# Altium PCB TX_PCB.PcbDoc
Units mil, origin at the board's own origin, x right, y up, seen from the top; angles counter-clockwise.
Board outline 1955 x 2115 mil, 2 copper layers (Top Layer, Bottom Layer); 118 components, 94 nets, 470 pads, 2 vias.
Unrouted connection lines stored in the file: 198.
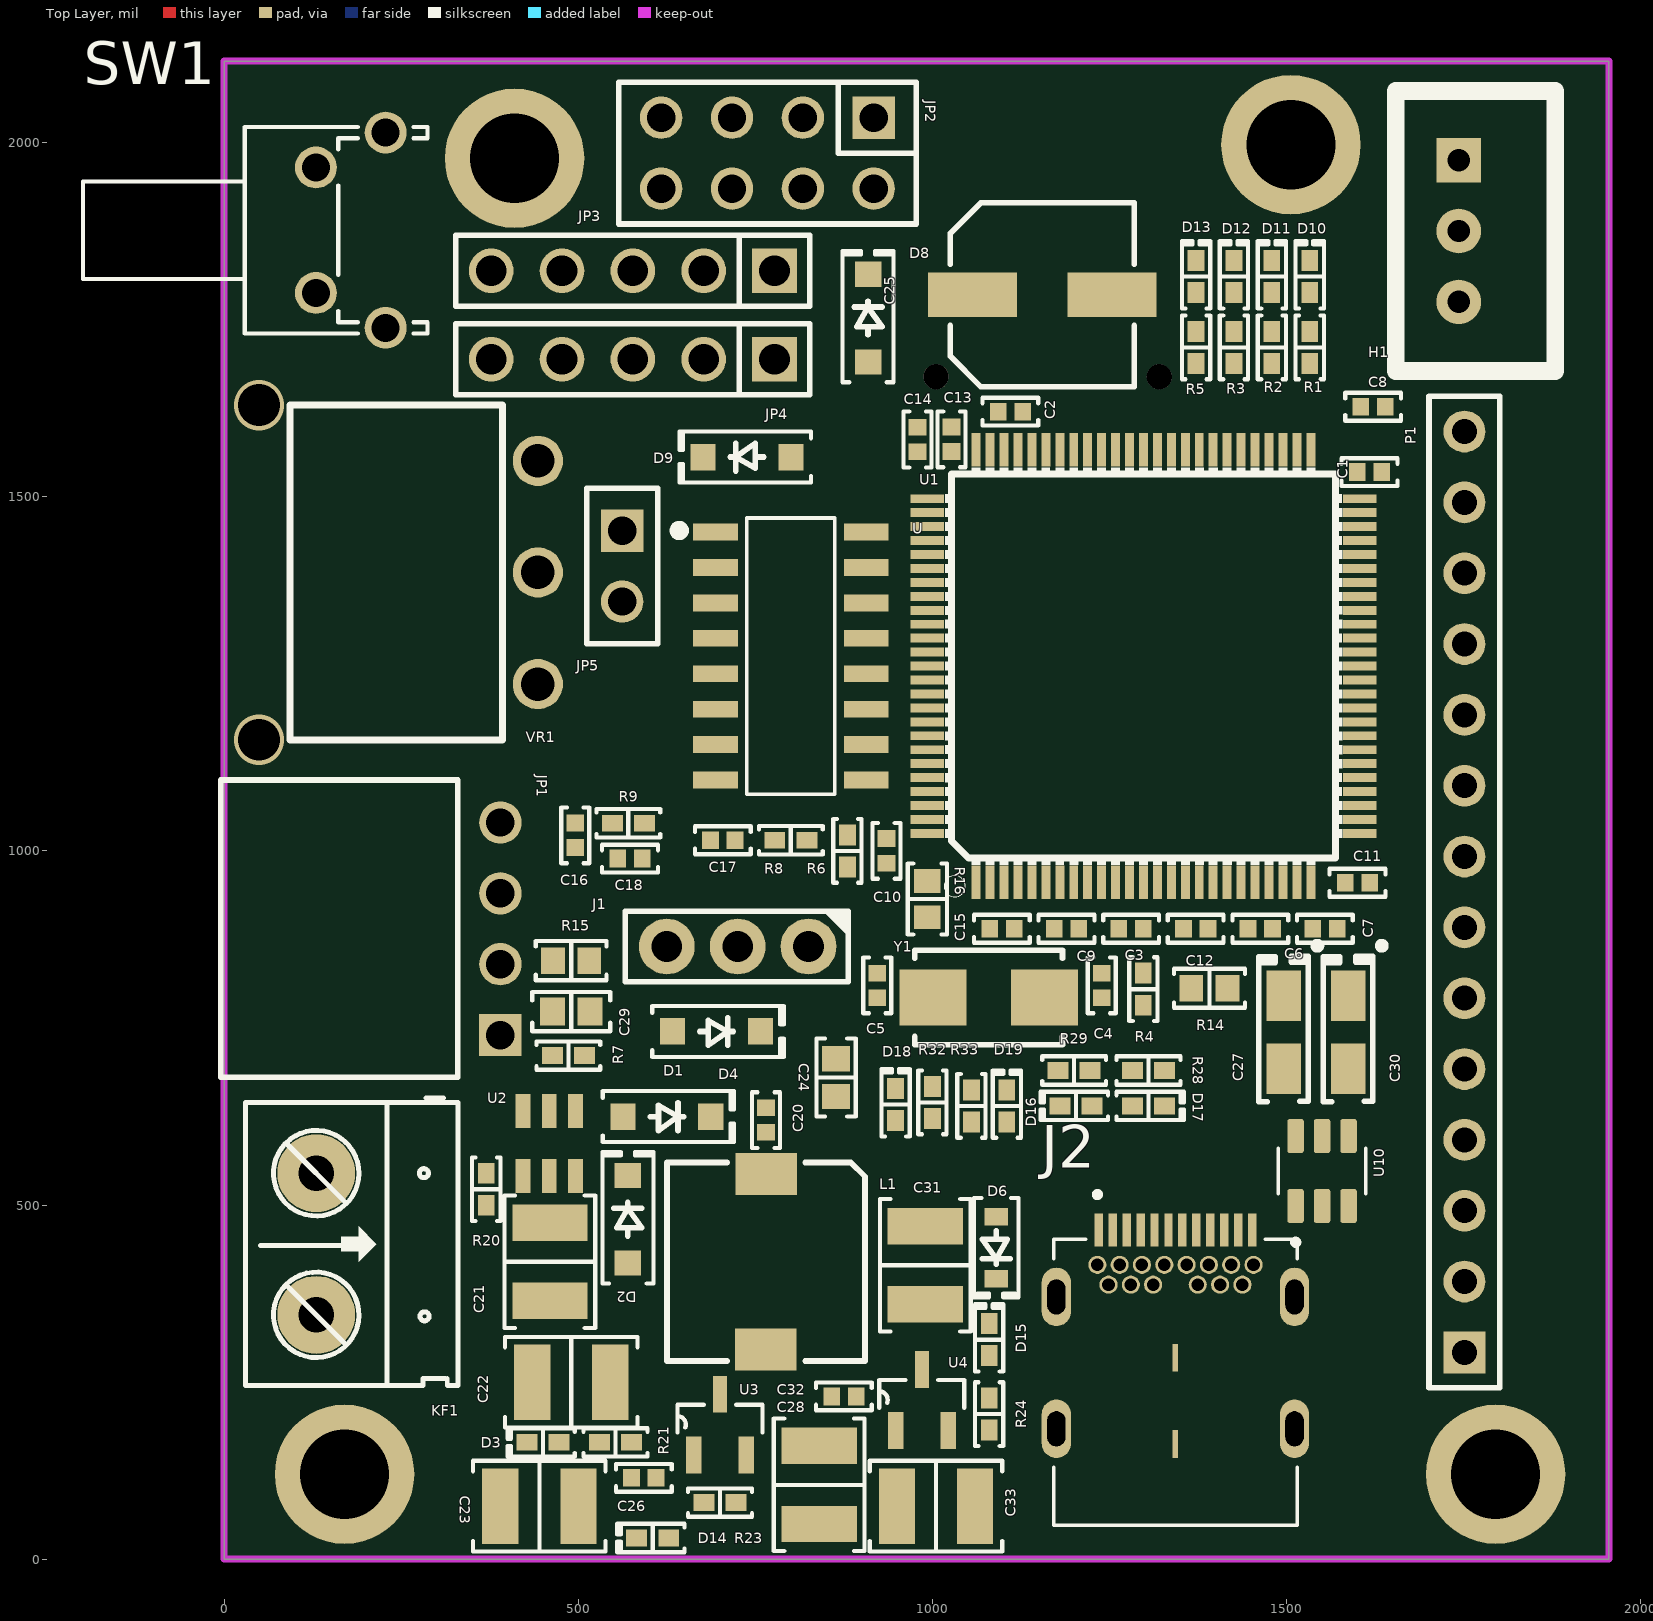
[diagram p0: Top Layer view]
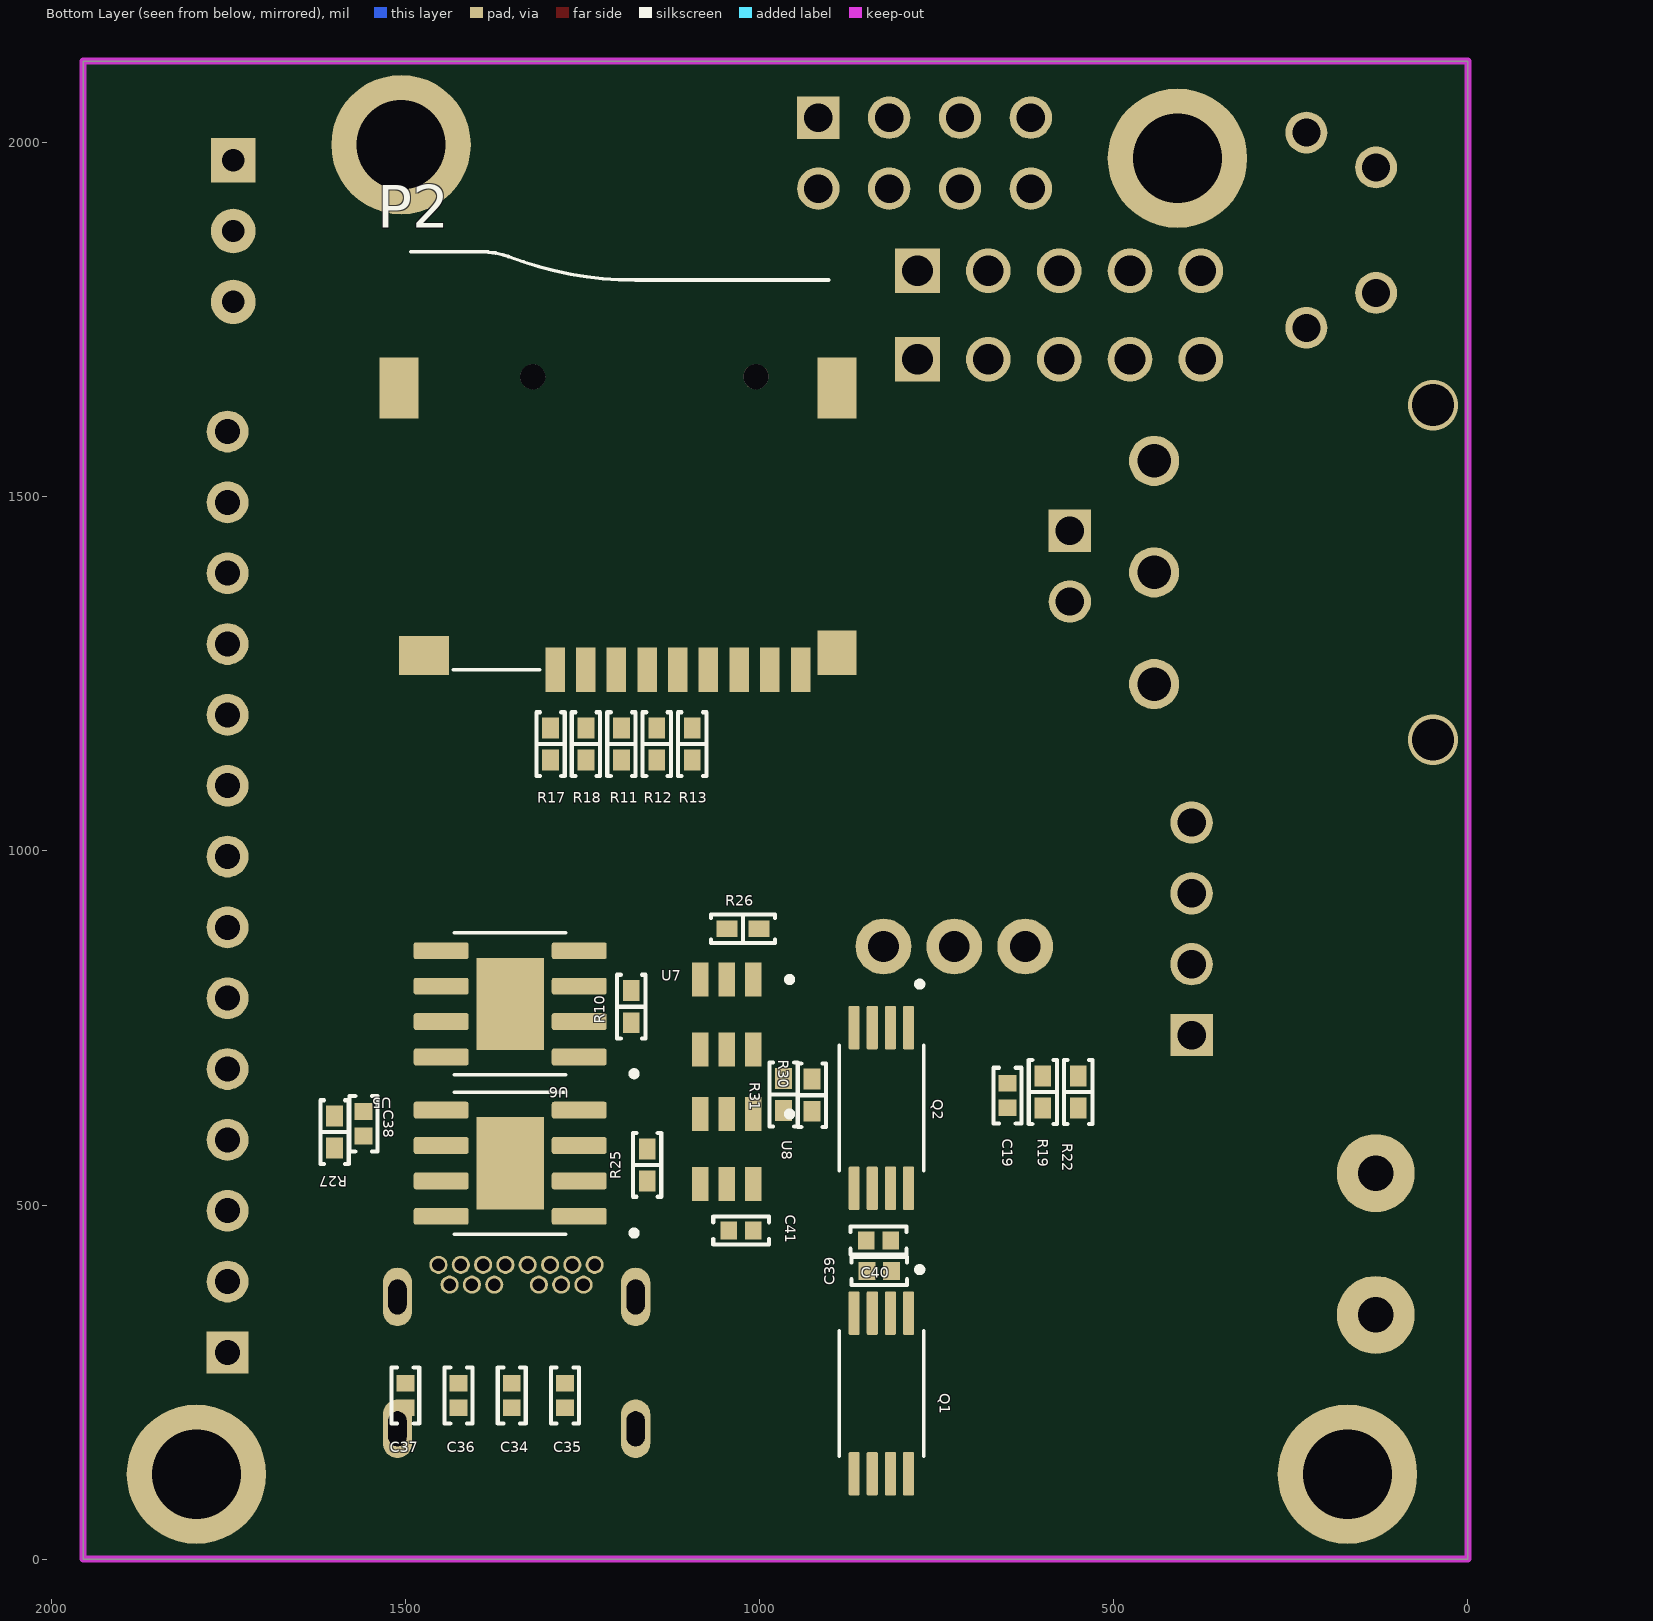
[diagram p1: Bottom Layer view, seen from below]

## Layer stack, top to bottom
Top Solder: solder mask 0.4, Solder Resist, Dk 3.5
Top Layer: signal copper 1.4
Dielectric 1: dielectric 12.6, FR-4, Dk 4.8
Bottom Layer: signal copper 1.4
Bottom Solder: solder mask 0.4, Solder Resist, Dk 3.5

## Board outline
0,0 0,2115 1955,2115 1955,0

## Design rules (kind name [scope] priority, off if disabled: settings)
Clearance [All] p1: gap=5 ignorepadtopadclearanceinfootprint=FALSE
PolygonConnect PolygonConnect_7 [All vs IsNamedPolygon('GND_L02_P000')] p1: connectstyle=Direct reliefconductorwidth=10 reliefentries=4 polygonreliefangle="90 Angle" airgapwidth=10
PolygonConnect PolygonConnect_6 [All vs IsNamedPolygon('GND_L01_P001')] p2: connectstyle=Direct reliefconductorwidth=10 reliefentries=4 polygonreliefangle="90 Angle" airgapwidth=10
PolygonConnect PolygonConnect_5 [All vs IsNamedPolygon('GND_L02_P001')] p3: connectstyle=Direct reliefconductorwidth=10 reliefentries=4 polygonreliefangle="90 Angle" airgapwidth=10
PolygonConnect PolygonConnect_4 [All vs IsNamedPolygon('GND_L01_P000')] p4: connectstyle=Direct reliefconductorwidth=10 reliefentries=4 polygonreliefangle="90 Angle" airgapwidth=10
PolygonConnect PolygonConnect_3 [All vs IsNamedPolygon('GND_L01_P000')] p5: connectstyle=Direct reliefconductorwidth=10 reliefentries=4 polygonreliefangle="90 Angle" airgapwidth=10
PolygonConnect PolygonConnect_2 [All vs IsNamedPolygon('GND_L02_P001')] p6: connectstyle=Direct reliefconductorwidth=10 reliefentries=4 polygonreliefangle="90 Angle" airgapwidth=10
PolygonConnect PolygonConnect_1 [All vs IsNamedPolygon('GND_L01_P000')] p7: connectstyle=Direct reliefconductorwidth=10 reliefentries=4 polygonreliefangle="90 Angle" airgapwidth=10
PolygonConnect [All] p8: connectstyle=Relief reliefconductorwidth=10 reliefentries=4 polygonreliefangle="90 Angle" airgapwidth=10
RoutingVias [All] p1: holewidth=10 width=25 viastyle="Through Hole" minholewidth=10 minwidth=20 maxholewidth=28 maxwidth=50
SolderMaskExpansion [All] p1: expansion=4 istentingtop=FALSE
Width [All] p1: maxlimit=40 minlimit=7 preferedwidth=7 minimp=50.000000 maximp=50.000000 favimp=50.000000
30 further rules are at their usual default settings.

## Classes and differential pairs
component class USB_C: C34 C35 C36 C37 C38 C39 C40 C41 D6 D16 D17 D18 D19 H1 J2 Q1 Q2 R10 R25 R26 R27 R28 R29 R30 R31 R32 R33 U5 U6 U7 U8 U10
component class Audio: C16 C17 C18 JP5 P2 R8 R9 R11 R12 R13 R17 R18 U VR1
component class Power_2: C19 C20 C21 C22 C23 C26 C28 C31 C32 C33 D1 D2 D3 D14 D15 KF1 L1 R19 R20 R21 R22 R23 R24 U2 U3 U4
component class MAIN_TX: C1 C2 C3 C4 C5 C6 C7 C8 C9 C10 C11 C12 C13 C14 C15 C24 C25 C27 C29 C30 D4 D8 D9 D10 D11 D12 D13 J1 JP1 JP2 JP3 JP4 P1 R1 R2 R3 R4 R5 R6 R7 R14 R15 R16 SW1 U1 Y1

## Components (designator, comment, footprint, x,y, rotation, side; value= is the part's Value field where it differs from the comment)
C1 "2.2 µF" "CAP 0402_1005" 1617,1534.69 r180 top
C2 "2.2 µF" "CAP 0402_1005" 1110,1620 r0 top
C3 "0.1 µF" "CAP 0402_1005" 1280.4,890 r0 top
C4 "20 pF" "CAP 0402_1005" 1239,810 r270 top
C5 "20 pF" "CAP 0402_1005" 922,810 r270 top
C6 "0.1 µF" "CAP 0402_1005" 1462.8,890 r180 top
C7 "0.1 µF" "CAP 0402_1005" 1554,890 r0 top
C8 "0.1 µF" "CAP 0402_1005" 1622,1627 r180 top
C9 "0.1 µF" "CAP 0402_1005" 1189.2,890 r0 top
C10 "0.1 µF" "CAP 0402_1005" 935,1000 r270 top
C11 "0.1 µF" "CAP 0402_1005" 1600,955 r0 top
C12 "0.1 µF" "CAP 0402_1005" 1371.6,890 r180 top
C13 "0.1 µF" "CAP 0402_1005" 1027,1581 r90 top
C14 "0.1 µF" "CAP 0402_1005" 979,1580.68 r90 top
C15 "1 µF" "CAP 0402_1005" 1098,890 r180 top
C16 "0.22 µF" "CAP 0402_1005" 495.64,1022 r90 top
C17 "0.1 µF" "CAP 0402_1005" 704,1015 r0 top
C18 "1 µF" "CAP 0402_1005" 573,989 r0 top
C19 "1000 pF" "CAP 0402_1005" 650,654.56 r90 bottom
C20 "0.1 µF" "CAP 0402_1005" 765,619.92 r90 top
C21 "10 µF" "CAP 1210_3225 - 1MM" 460,419.92 r90 top
C22 "22 µF" "CAP 1210_3225 - 1MM" 490,249.92 r0 top
C23 "10 µF" "CAP 1210_3225 - 1MM" 445,74.92 r0 top
C24 "0.1 µF" "CAP 0603_1608" 864,680 r90 top
C25 "220 µF" "CAP ALSMD 6.6MM H6.1MM" 1155,1785 r0 top
C26 "0.1µF" "CAP 0402_1005" 592.44,114.92 r180 top
C27 "1µF" "CAP POL 1206_3216" 1496,744 r270 top
C28 "10 µF" "CAP 1210_3225 - 1MM" 840,104.92 r90 top
C29 "0.1 µF" "CAP 0603_1608" 490,773 r180 top
C30 "1µF" "CAP POL 1206_3216" 1587,744 r270 top
C31 "10 µF" "CAP 1210_3225 - 1MM" 990,415 r270 top
C32 "0.1µF" "CAP 0402_1005" 875,229.92 r0 top
C33 "10 µF" "CAP 1210_3225 - 1MM" 1005,74.92 r0 top
C34 "0.1 µF" "CAP 0402_1005" 1349.74,231.1 r270 bottom
C35 "0.1 µF" "CAP 0402_1005" 1274.61,231.1 r270 bottom
C36 "0.1 µF" "CAP 0402_1005" 1424.87,231.1 r270 bottom
C37 "0.1 µF" "CAP 0402_1005" 1500,231.1 r270 bottom
C38 "10 µF" "CAP 0402_1005" 1559,614.73 r270 bottom
C39 "0.1 µF" "CAP 0402_1005" 831,407 r180 bottom
C40 "10 µF" "CAP 0402_1005" 832,450 r0 bottom
C41 "0.1 µF" "CAP 0402_1005" 1026,464 r180 bottom
D1 "1N5819HW-7-F" SOD-123 625,624.92 r0 top
D2 "1N5819HW-7-F" SOD-123 570,479.92 r90 top
D3 "Green" "LED 0402_1005 GREEN" 450,164.92 r180 top
D4 "1N5819HW-7-F" SOD-123 695,745 r0 top
D6 "BAT60JFILM" SOD323 1090,439.92 r270 top
D8 "1N5819HW-7-F" SOD-123 909,1752 r90 top
D9 "1N5819HW-7-F" SOD-123 738,1556 r180 top
D10 "Red" "LED 0402_1005 RED" 1532.62,1810.82 r90 top
D11 "Yellow" "LED 0402_1005 YELLOW" 1479.09,1810.82 r90 top
D12 "Green" "LED 0402_1005 GREEN" 1425.57,1810.82 r90 top
D13 "Blue" "LED 0402_1005 BLUE" 1372.04,1810.82 r90 top
D14 "Yellow" "LED 0402_1005 YELLOW" 605,29.92 r180 top
D15 "Red" "LED 0402_1005 RED" 1080,309.92 r90 top
D16 "Green" "LED 0402_1005 GREEN" 1202.64,639.92 r180 top
D17 "Red" "LED 0402_1005 RED" 1305,639.92 r0 top
D18 "Red" "LED 0402_1005 RED" 947.95,641.97 r90 top
D19 "Green" "LED 0402_1005 GREEN" 1105,639.92 r90 top
H1 "Header 3P 2.54 Duc Thang" XH2.54M-3 1743,1975 r270 top
J1 "M20-7820342" "HARWIN M20-7820345" 725,865 r270 top
J2 "SS-52400-002" BELFUSE_SS-52400-002 1343,184.06 r0 top
JP1 "JP 1x4 2.54" "JP 1x4 CC" 390,890 r90 top
JP2 "JP 2x4 2.54" "JP 2x4 CT" 767,1985 r180 top
JP3 "JP 1x5 2.54" "JP 1x5 DT" 777,1819 r180 top
JP4 "JP 1x5 2.54" "JP 1x5 DT" 777,1694 r180 top
JP5 "JP 1x2 2.54" "JP 1x2 CT" 562,1452 r270 top
KF1 "CON 2 KF301" "Con 2 KF301 5.08" 130,544.92 r270 top
L1 "10µH" "TDK SLF7032" 765,419.92 r270 top
P1 "Header 14" HDR1X14 1751,292 r90 top
P2 "ST-TF-003A" SUNTECH_ST-TF-003A 1150,1465.72 r0 bottom
Q1 "FS8205A" SOP65P640X120-8N 828,234 r270 bottom
Q2 "FS8205A" SOP65P640X120-8N 828,637 r270 bottom
R1 "680 Ohms" "RES 0402_1005" 1532.62,1710.82 r90 top
R2 "680 Ohms" "RES 0402_1005" 1479.09,1710.82 r90 top
R3 "680 Ohms" "RES 0402_1005" 1425.57,1710.82 r90 top
R4 "100 kOhms" "RES 0402_1005" 1297.72,804.68 r270 top
R5 "680 Ohms" "RES 0402_1005" 1372.04,1710.82 r90 top
R6 "10 kOhms" "RES 0402_1005" 880,1000 r90 top
R7 "10 kOhms" "RES 0402_1005" 486,711 r180 top
R8 "4.7 kOhms" "RES 0402_1005" 800,1015 r0 top
R9 "10 kOhms" "RES 0402_1005" 570.64,1039 r0 top
R10 "1.2 kOhms" "RES 0402_1005" 1181,780 r270 bottom
R11 "4.7 kOhms" "RES 0402_1005" 1195,1150.72 r270 bottom
R12 "4.7 kOhms" "RES 0402_1005" 1145,1150.72 r270 bottom
R13 "4.7 kOhms" "RES 0402_1005" 1095,1150.72 r270 bottom
R14 "47 Ohms" "RES 0603_1608" 1391,806 r0 top
R15 "20 kOhms" "RES 0603_1608" 490,845 r180 top
R16 "0 Ohms" "RES 0603_1608" 992.77,932 r270 top
R17 "4.7 kOhms" "RES 0402_1005" 1295,1150.72 r270 bottom
R18 "4.7 kOhms" "RES 0402_1005" 1245,1150.72 r270 bottom
R19 "52.3 kOhms" "RES 0402_1005" 600,659.56 r90 bottom
R20 "100 kOhms" "RES 0402_1005" 370,522.28 r270 top
R21 "1 kOhms" "RES 0402_1005" 552.48,164.92 r0 top
R22 "10 kOhms" "RES 0402_1005" 550,659.56 r270 bottom
R23 "680 Ohms" "RES 0402_1005" 700,79.92 r0 top
R24 "680 Ohms" "RES 0402_1005" 1080,204.92 r270 top
R25 "1.2 kOhms" "RES 0402_1005" 1158.66,556.64 r270 bottom
R26 "1 kOhms" "RES 0402_1005" 1023.36,890 r180 bottom
R27 "110 Ohms" "RES 0402_1005" 1600,603 r90 bottom
R28 "1 kOhms" "RES 0402_1005" 1305,689.92 r0 top
R29 "1 kOhms" "RES 0402_1005" 1200,689.92 r0 top
R30 "1 kOhms" "RES 0402_1005" 926,655 r90 bottom
R31 "110 Ohms" "RES 0402_1005" 966,656 r90 bottom
R32 "1 kOhms" "RES 0402_1005" 1000,644.92 r90 top
R33 "1 kOhms" "RES 0402_1005" 1055,639.92 r270 top
SW1 "431256083716" 4312560837x6 95.13,1876.21 r270 top
U "PAM8403DR" SOIC127P605X150-16N 800,1275 r0 top
U1 "MCU-STM32F407VET6(LQFP100)" LQFP100-0.5-13.8X13.8MM 1297.89,1260.88 r90 top
U2 "LM2734YMK" SOT95P285X100-6N 459,587 r270 top
U3 "MCP1700T-3302E/TT" SOT95P237X112-3N 700,189.92 r90 top
U4 "MCP1700T-3302E/TT" SOT95P237X112-3N 985,224.92 r90 top
U5 "TP4056" SOP127P600X175-9N 1352,559 r0 bottom
U6 "TP4056" SOP127P600X175-9N 1352,784 r0 bottom
U7 "DW01A" SOT95P280X145-6N#1 1046,769 r270 bottom
U8 "DW01A" SOT95P280X145-6N#1 1046,579 r270 bottom
U10 "USBLC6-2SC6" SOT95P280X145-6N#2 1550,548 r90 top
VR1 "VR 10Kohm" "VR 10kohm" 443,1156.78 r90 top
Y1 "8 MHz" "NDK NX5032GA" 1079.26,793 r180 top

## Footprints (in the part's own frame and the unit in brackets; to place one, negate y for a bottom-side part, rotate by r counter-clockwise, add the part's x,y. Pads: shape width x height; smd on the part's side, far side on the other; paste and mask are expansions set on the pad)
4312560837x6 [mm] "6x6mm right angle Tact Switch with ground terminal, THT version"
  round 1.5 hole 1: 1(-2.25,0.875) 2(2.25,0.875) G1(-3.5,3.375) G2(3.5,3.375)
  silkscreen extent -3.7,-7.47 3.7,4.87, body extent -4.2,-7.48 4.2,4.87, height 7.25
BELFUSE_SS-52400-002 [mm]
  rect 0.3x1.2 smd: A1(-2.75,7.13) A2(-2.25,7.13) A3(-1.75,7.13) A4(-1.25,7.13) A5(-0.75,7.13) A6(-0.25,7.13) A7(0.25,7.13) A8(0.75,7.13) A9(1.25,7.13) A10(1.75,7.13) A11(2.25,7.13) A12(2.75,7.13)
  round 0.65 hole 0.45: B1(2.8,5.88) B2(2.4,5.17) B3(1.6,5.17) B4(1.2,5.88) B5(0.8,5.17) B6(0.4,5.88) B7(-0.4,5.88) B8(-0.8,5.17) B9(-1.2,5.88) B10(-1.6,5.17) B11(-2.4,5.17) B12(-2.8,5.88) G1(2,5.88) G2(-2,5.88)
  rect 0.2x1 smd: G3(0,2.55) G4(0,-0.55)
  oval 1.05x2.1 hole 0.65 slot 1.25 at 90 deg: S1(-4.27,4.73) S2(4.27,4.73) S3(-4.27,0) S4(4.27,0)
  silkscreen extent -4.37,-3.45 4.37,8.5
"CAP 0402_1005" [mm] "Chip Capacitor, 2-Leads, Body 1.02x0.51mm, IPC Medium Density"
  rect 0.6x0.64 smd: 1(-0.44,0) 2(0.44,0)
  silkscreen extent -1,-0.5 1,0.5, body extent -0.5,-0.26 0.5,0.26, height 0.52
"CAP 0603_1608" [mm] "Chip Capacitor, 2-Leads, Body 1.60x0.80mm, IPC Medium Density"
  rect 0.9x1 smd: 1(-0.675,0) 2(0.675,0)
  silkscreen extent -1.4,-0.7 1.4,0.7, body extent -0.8,-0.41 0.8,0.41, height 0.82
"CAP 1210_3225 - 1MM" [mm] "Chip Capacitor, 2-Leads, Body 3.20x2.50mm, IPC Medium Density"
  rect 1.3x2.7 smd: 1(-1.4,0) 2(1.4,0)
  silkscreen extent -2.38,-1.62 2.37,1.62, body extent -1.6,-1.25 1.6,1.25, height 1
"CAP ALSMD 6.6MM H6.1MM" [mm] "Aluminum Electrolytic Capacitor, Body 6.60x6.60x6.10mm, IPC Low Density"
  rect 3.2x1.6 smd: 1(-2.5,0) 2(2.5,0)
  silkscreen extent -3.3,-3.3 3.3,3.3, body extent -3.5,-3.3 3.5,3.3, height 6.1
"CAP POL 1206_3216" [mm] "Molded Capacitor, 2-Leads, Body 3.20x1.6mm, IPC Medium Density"
  rect 1.8x1.23 smd: 1(-1.31,0) 2(1.31,0)
  silkscreen extent -3.22,-0.9 2.5,1.33, body extent -1.72,-0.85 1.71,0.85, height 1.7
"Con 2 KF301 5.08" [mil]
  round 110 hole 50: 1(0,0) 2(200,0)
  silkscreen extent -106,-100 300,200, body extent -45,-97 255,190, height 335
"HARWIN M20-7820345" [mm] "2.54mm DIL PC TAIL PIN HEADER ASSEMBLY"
  round 2 hole 1.1: 1(0,2.54) 2(0,0) 3(0,-2.54)
  silkscreen extent -1.27,-4.03 1.27,4, body extent -1.25,-4.01 1.25,4.01, height 8.5
HDR1X14 [mm] "Connector; Header; 14 Position"
  rect 1.5x1.5 hole 0.9: 1(0,0)
  round 1.5 hole 0.9: 2(2.54,0) 3(5.08,0) 4(7.62,0) 5(10.16,0) 6(12.7,0) 7(15.24,0) 8(17.78,0) 9(20.32,0) 10(22.86,0) 11(25.4,0) 12(27.94,0) 13(30.48,0) 14(33.02,0)
  silkscreen extent -1.27,-1.27 34.29,1.27, body extent -1.27,-1.27 34.29,1.27, height 7
"JP 1x2 CT" [mm] "JP 1x2 CT"
  rect 1.52x1.52 hole 1.02: 1(0,0)
  round 1.52 hole 1.02: 2(2.54,0)
  silkscreen extent -1.52,-1.27 4.06,1.27, body extent -1.52,-1.25 4.06,1.25, height 8.51
"JP 1x4 CC" [mm] "4 pins, 1 row, straight, gold plating"
  rect 1.52x1.52 hole 1.02: 1(-3.81,0)
  round 1.52 hole 1.02: 2(-1.27,0) 3(1.27,0) 4(3.81,0)
  silkscreen extent -5.33,1.52 5.33,10.03, body extent -5.33,-0.25 5.33,10.05, height 2.51
"JP 1x5 DT" [mm] "5 pins, 1 row, straight, gold plating"
  rect 1.6x1.6 hole 1.1: 1(0,0)
  round 1.6 hole 1.1: 2(2.54,0) 3(5.08,0) 4(7.62,0) 5(10.16,0)
  silkscreen extent -1.27,-1.27 11.43,1.27, body extent -1.27,-1.27 11.43,1.27, height 8.54
"JP 2x4 CT" [mm] "8 pins, dual row, straight, gold plating"
  rect 1.52x1.52 hole 1.02: 1(-3.81,-1.27)
  round 1.52 hole 1.02: 2(-1.27,-1.27) 3(1.27,-1.27) 4(3.81,-1.27) 5(3.81,1.27) 6(1.27,1.27) 7(-1.27,1.27) 8(-3.81,1.27)
  silkscreen extent -5.33,-2.54 5.33,2.54, body extent -5.33,-2.54 5.33,2.54, height 8.51
"LED 0402_1005 BLUE" [mm] "Chip Diode, 2-Leads, Body 1.00x0.50mm, IPC Medium Density"
  rect 0.75x0.6 smd: 1(-0.575,0) 2(0.575,0)
  silkscreen extent -1.14,-0.51 1.27,0.51, body extent -0.5,-0.25 0.5,0.25, height 0.21
"LED 0402_1005 GREEN" [mm] "Chip Diode, 2-Leads, Body 1.00x0.50mm, IPC Medium Density"
  rect 0.75x0.6 smd: 1(-0.575,0) 2(0.575,0)
  silkscreen extent -1.14,-0.51 1.27,0.51, body extent -0.5,-0.25 0.5,0.25, height 0.21
"LED 0402_1005 RED" [mm] "Chip Diode, 2-Leads, Body 1.00x0.50mm, IPC Medium Density"
  rect 0.75x0.6 smd: 1(-0.575,0) 2(0.575,0)
  silkscreen extent -1.14,-0.51 1.27,0.51, body extent -0.5,-0.25 0.5,0.25, height 0.21
"LED 0402_1005 YELLOW" [mm] "Chip Diode, 2-Leads, Body 1.00x0.50mm, IPC Medium Density"
  rect 0.75x0.6 smd: 1(-0.575,0) 2(0.575,0)
  silkscreen extent -1.14,-0.51 1.27,0.51, body extent -0.5,-0.25 0.5,0.25, height 0.21
LQFP100-0.5-13.8X13.8MM [mm]
  rect 1.2x0.32 smd: 1(-7.75,6) 2(-7.75,5.5) 3(-7.75,5) 4(-7.75,4.5) 5(-7.75,4) 6(-7.75,3.5) 7(-7.75,3) 8(-7.75,2.5) 9(-7.75,2) 10(-7.75,1.5) 11(-7.75,1) 12(-7.75,0.5) 13(-7.75,0) 14(-7.75,-0.5) 15(-7.75,-1) 16(-7.75,-1.5) 17(-7.75,-2) 18(-7.75,-2.5) 19(-7.75,-3) 20(-7.75,-3.5) 21(-7.75,-4) 22(-7.75,-4.5) 23(-7.75,-5) 24(-7.75,-5.5) 25(-7.75,-6) 51(7.75,-6) 52(7.75,-5.5) 53(7.75,-5) 54(7.75,-4.5) 55(7.75,-4) 56(7.75,-3.5) 57(7.75,-3) 58(7.75,-2.5) 59(7.75,-2) 60(7.75,-1.5) 61(7.75,-1) 62(7.75,-0.5) 63(7.75,0) 64(7.75,0.5) 65(7.75,1) 66(7.75,1.5) 67(7.75,2) 68(7.75,2.5) 69(7.75,3) 70(7.75,3.5) 71(7.75,4) 72(7.75,4.5) 73(7.75,5) 74(7.75,5.5) 75(7.75,6)
  rect 0.32x1.2 smd: 26(-6,-7.75) 27(-5.5,-7.75) 28(-5,-7.75) 29(-4.5,-7.75) 30(-4,-7.75) 31(-3.5,-7.75) 32(-3,-7.75) 33(-2.5,-7.75) 34(-2,-7.75) 35(-1.5,-7.75) 36(-1,-7.75) 37(-0.5,-7.75) 38(0,-7.75) 39(0.5,-7.75) 40(1,-7.75) 41(1.5,-7.75) 42(2,-7.75) 43(2.5,-7.75) 44(3,-7.75) 45(3.5,-7.75) 46(4,-7.75) 47(4.5,-7.75) 48(5,-7.75) 49(5.5,-7.75) 50(6,-7.75) 76(6,7.75) 77(5.5,7.75) 78(5,7.75) 79(4.5,7.75) 80(4,7.75) 81(3.5,7.75) 82(3,7.75) 83(2.5,7.75) 84(2,7.75) 85(1.5,7.75) 86(1,7.75) 87(0.5,7.75) 88(0,7.75) 89(-0.5,7.75) 90(-1,7.75) 91(-1.5,7.75) 92(-2,7.75) 93(-2.5,7.75) 94(-3,7.75) 95(-3.5,7.75) 96(-4,7.75) 97(-4.5,7.75) 98(-5,7.75) 99(-5.5,7.75) 100(-6,7.75)